# Altium PCB Tigershark 3D R2.PcbDoc (part 1 of 4) (continued)
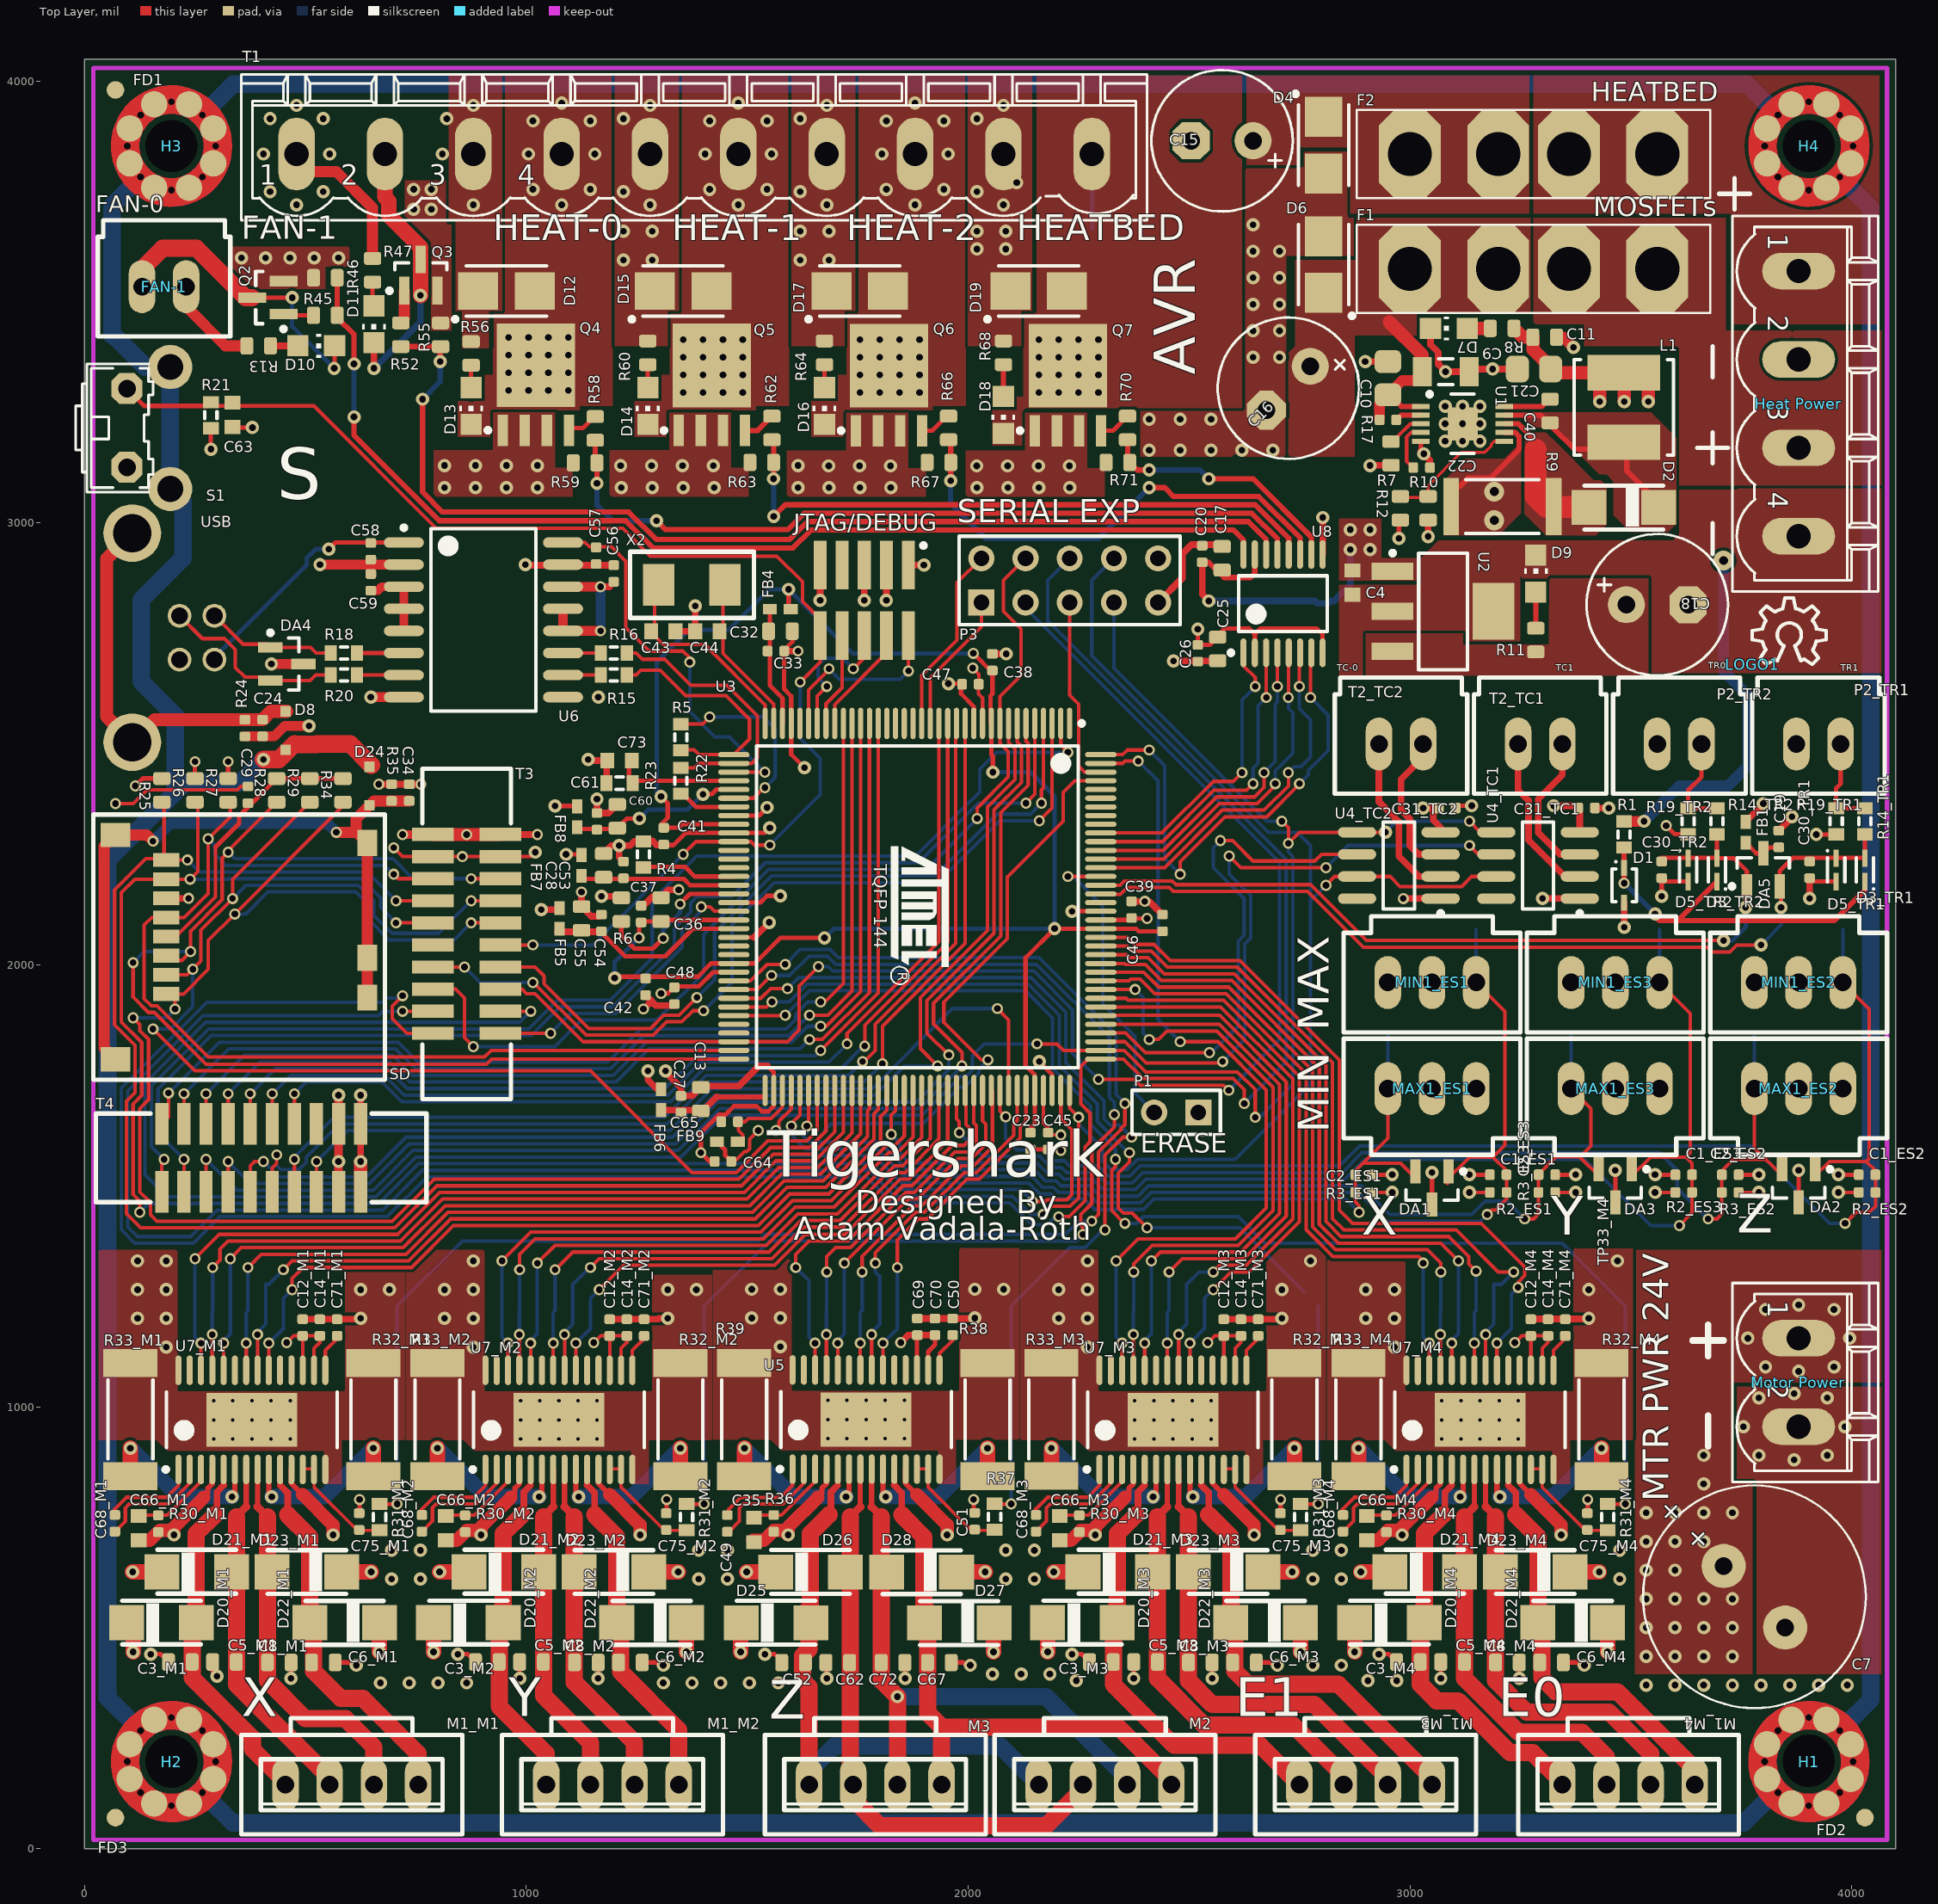
[diagram p0: Top Layer view]
## Classes and differential pairs (continued)
net class U6_Nets: GND INPUT_GND NetC56_2 NetC58_2 NetC59_2 UD_N UD_P UI_N UI_P VBUS
net class U7_M1_Nets: 3.3VCC +12VCC1 DIR1 EN1 GND MOD0E1 MOD1E1 MOD2E1 NetC3_M1_1 NetC5_M1_1 NetC6_M1_1 NetC8_M1_1 NetC66_M1_2 NetC68_M1_1 NetC68_M1_2 NetC71_M1_2 NetC75_M1_2 NetR32_M1_2 NetR33_M1_2 NetU7_M1_18 NetU7_M1_19 NetU7_M1_27 STEP1
net class U7_M2_Nets: 3.3VCC +12VCC1 DIR2 EN2 GND MOD0E2 MOD1E2 MOD2E2 NetC3_M2_1 NetC5_M2_1 NetC6_M2_1 NetC8_M2_1 NetC66_M2_2 NetC68_M2_1 NetC68_M2_2 NetC71_M2_2 NetC75_M2_2 NetR32_M2_2 NetR33_M2_2 NetU7_M2_18 NetU7_M2_19 NetU7_M2_27 STEP2
net class U7_M3_Nets: 3.3VCC +12VCC1 DIR3 EN3 GND MOD0E3 MOD1E3 MOD2E3 NetC3_M3_1 NetC5_M3_1 NetC6_M3_1 NetC8_M3_1 NetC66_M3_2 NetC68_M3_1 NetC68_M3_2 NetC71_M3_2 NetC75_M3_2 NetR32_M3_2 NetR33_M3_2 NetU7_M3_18 NetU7_M3_19 NetU7_M3_27 STEP3
net class U7_M4_Nets: 3.3VCC +12VCC1 DIR4 EN4 GND MOD0E4 MOD1E4 MOD2E4 NetC3_M4_1 NetC5_M4_1 NetC6_M4_1 NetC8_M4_1 NetC66_M4_2 NetC68_M4_1 NetC68_M4_2 NetC71_M4_2 NetC75_M4_2 NetR32_M4_2 NetR33_M4_2 NetU7_M4_18 NetU7_M4_19 NetU7_M4_27 STEP4
net class U8_Nets: 3.3VCC +5VCC BED_PWM FET_PWM1 FET_PWM2 FET_PWM3 FET_PWM4 FET_PWM5 GND NetR45_1 NetR52_1 NetR58_1 NetR62_1 NetR66_1 NetR70_1
net class USB_Nets: INPUT_GND NetC24_2 NetC58_2 R_N R_P
net class X2_Nets: NetC43_2 NetC44_2
net class C12_M1_Nets: 3.3VCC GND
net class C12_M2_Nets: 3.3VCC GND
net class C12_M3_Nets: 3.3VCC GND
net class C12_M4_Nets: 3.3VCC GND
net class C14_M1_Nets: 3.3VCC GND
net class C14_M2_Nets: 3.3VCC GND
net class C14_M3_Nets: 3.3VCC GND
net class C14_M4_Nets: 3.3VCC GND
net class C7_Nets: +12VCC1 GND
net class C15_Nets: +12VCC3 GND
net class C18_Nets: 3.3VCC GND
net class C16_Nets: +12VCC2 GND
net class H1_Nets: FGND
net class H2_Nets: FGND
net class H3_Nets: FGND
net class H4_Nets: FGND
differential pair R: +R_P -R_N
differential pair UD: +UD_P -UD_N
differential pair UI: +UI_P -UI_N
differential pair UMCU: +UMCU_P -UMCU_N

## Components (designator, comment, footprint, x,y, rotation, side; value= is the part's Value field where it differs from the comment)
C1_ES1 "0402" C0402 3200,1525 r180 top (schematic designator C1)
C1_ES2 "0402" C0402 4035,1525 r180 top (schematic designator C1)
C1_ES3 "0402" C0402 3620,1525 r180 top (schematic designator C1)
C2_ES1 "0402" C0402 2895,1525 r0 top (schematic designator C2)
C2_ES2 "0402" C0402 3725,1525 r0 top (schematic designator C2)
C2_ES3 "0402" C0402 3310,1525 r0 top (schematic designator C2)
C3_M1 "10uF" C0603 216.74,422.26 r180 top (schematic designator C3)
C3_M2 "10uF" C0603 911.74,422.26 r180 top (schematic designator C3)
C3_M3 "10uF" C0603 2301.74,422.26 r180 top (schematic designator C3)
C3_M4 "10uF" C0603 2996.74,422.26 r180 top (schematic designator C3)
C4 "0603" 1608[0603] 2870,2865 r90 top
C5_M1 "10uF" C0603 316.74,422.26 r180 top (schematic designator C5)
C5_M2 "10uF" C0603 1011.74,422.26 r180 top (schematic designator C5)
C5_M3 "10uF" C0603 2401.74,422.26 r180 top (schematic designator C5)
C5_M4 "10uF" C0603 3096.74,422.26 r180 top (schematic designator C5)
C6_M1 "10uF" C0603 540.74,421.26 r0 top (schematic designator C6)
C6_M2 "10uF" C0603 1235.74,421.26 r0 top (schematic designator C6)
C6_M3 "10uF" C0603 2625.74,421.26 r0 top (schematic designator C6)
C6_M4 "10uF" C0603 3320.74,421.26 r0 top (schematic designator C6)
C7 "470uF" C12,5-5 3780,570 r315 top
C8_M1 "10uF" C0603 440.74,421.26 r0 top (schematic designator C8)
C8_M2 "10uF" C0603 1135.74,421.26 r0 top (schematic designator C8)
C8_M3 "10uF" C0603 2525.74,421.26 r0 top (schematic designator C8)
C8_M4 "10uF" C0603 3220.74,421.26 r0 top (schematic designator C8)
C9 "4.7uF" C1206 3081.31,3342.43 r0 top
C10 "1uF" C0805 2950.31,3327.43 r90 top
C11 "100nF" C0603 3305.31,3420.43 r0 top
C12_M1 "0402" C0402 493.74,1179.26 r270 top (schematic designator C12)
C12_M2 "0402" C0402 1188.74,1179.26 r270 top (schematic designator C12)
C12_M3 "0402" C0402 2578.74,1179.26 r270 top (schematic designator C12)
C12_M4 "0402" C0402 3273.74,1179.26 r270 top (schematic designator C12)
C13 "0603" C0603 1395,1696.1 r270 top
C14_M1 "0402" C0402 532.74,1179.26 r270 top (schematic designator C14)
C14_M2 "0402" C0402 1227.74,1179.26 r270 top (schematic designator C14)
C14_M3 "0402" C0402 2617.74,1179.26 r270 top (schematic designator C14)
C14_M4 "0402" C0402 3312.74,1179.26 r270 top (schematic designator C14)
C15 "100uF" C3,5-8 2575,3865 r180 top
C16 "100uF" C3,5-8 2725,3305 r225 top
C17 "0603" C0603 2575,2920 r270 top
C18 "100uF" C3,5-8 3560,2815 r0 top
C19 "0402" C0402 3835,2285 r270 top
C20 "0402" C0402 2530,2930 r270 top
C21 "10uF" C0805 3281.31,3348.43 r180 top
C22 "1uF" C0402 3026.31,3125.43 r0 top
C23 "0402" C0402 2141.1,1601.1 r90 top
C24 "0402" C0402 403,2535.79 r90 top
C25 "0603" C0603 2565,2715 r90 top
C26 "0402" C0402 2520,2705 r90 top
C27 "0402" C0402 1350,1685 r270 top
C28 "0603" C0603 1175,2225 r270 top
C29 "0402" C0402 370,2385 r270 top
C30_TR1 "0402" C0402 3905,2215 r90 top (schematic designator C30)
C30_TR2 "0402" C0402 3570,2215 r90 top (schematic designator C30)
C31_TC1 "0402" C0402 3400,2355 r180 top (schematic designator C31)
C31_TC2 "0402" C0402 3085,2355 r180 top (schematic designator C31)
C32 "0603" C0603 1575,2755 r180 top
C33 "0402" C0402 1565,2710 r180 top
C34 "0402" C0402 735,2390 r270 top
C35 "0603" 1608[0603] 1515,721 r90 top
C36 "0603" C0603 1305,2125 r270 top
C37 "0402" C0402 1260,2115 r270 top
C38 "0402" C0402 2055,2685 r270 top
C39 "0402" C0402 2440,2095 r270 top
C40 "100nF" C0603 3317.31,3253.43 r270 top
C41 "0402" C0402 1311.1,2291.1 r90 top
C42 "0402" C0402 1270,1950 r90 top
C43 "0603" 1608[0603] 1310,2755 r180 top
C44 "0603" 1608[0603] 1410,2755 r0 top
C45 "0402" C0402 2181.1,1601.1 r90 top
C46 "0402" C0402 2370,2125 r270 top
C47 "0402" C0402 2005,2635 r0 top
C48 "0402" C0402 1335,1930 r90 top
C49 "0402" C0402 1455,736 r270 top
C50 "0402" C0402 1965,1181 r270 top
C51 "0402" C0402 2015,741 r270 top
C52 "10uF" C0603 1605,421 r180 top
C53 "0402" C0402 1220,2215 r270 top
C54 "0402" C0402 1170,2095 r270 top
C55 "0603" C0603 1125,2105 r270 top
C56 "0402" C0402 1198,2885.79 r270 top
C57 "0402" C0402 1158,2925.79 r90 top
C58 "0402" C0402 648,2935.79 r90 top
C59 "0402" C0402 648,2865.79 r270 top
C60 "0603" C0603 1206.1,2336.1 r270 top
C61 "0402" C0402 1160,2325 r270 top
C62 "10uF" C0603 1705,421 r180 top
C63 "Cap Semi" 1608[0603] 335,3245 r90 top
C64 "0402" C0402 1445,1555 r0 top
C65 "0402" C0402 1460,1645 r0 top
C66_M1 "0603" 1608[0603] 122.74,725.26 r90 top (schematic designator C66)
C66_M2 "0603" 1608[0603] 817.74,725.26 r90 top (schematic designator C66)
C66_M3 "0603" 1608[0603] 2207.74,725.26 r90 top (schematic designator C66)
C66_M4 "0603" 1608[0603] 2902.74,725.26 r90 top (schematic designator C66)
C67 "10uF" C0603 1935,421 r0 top
C68_M1 "0402" C0402 68.74,736.26 r270 top (schematic designator C68)
C68_M2 "0402" C0402 763.74,736.26 r270 top (schematic designator C68)
C68_M3 "0402" C0402 2153.74,736.26 r270 top (schematic designator C68)
C68_M4 "0402" C0402 2848.74,736.26 r270 top (schematic designator C68)
C69 "0402" C0402 1885,1181 r270 top
C70 "0402" C0402 1925,1181 r270 top
C71_M1 "0402" C0402 571.74,1179.26 r270 top (schematic designator C71)
C71_M2 "0402" C0402 1266.74,1179.26 r270 top (schematic designator C71)
C71_M3 "0402" C0402 2656.74,1179.26 r270 top (schematic designator C71)
C71_M4 "0402" C0402 3351.74,1179.26 r270 top (schematic designator C71)
C72 "10uF" C0603 1830,421 r0 top
C73 "0603" 1608[0603] 1211.1,2462.32 r0 top
C75_M1 "0402" C0402 621.74,740.26 r270 top (schematic designator C75)
C75_M2 "0402" C0402 1316.74,740.26 r270 top (schematic designator C75)
C75_M3 "0402" C0402 2706.74,740.26 r270 top (schematic designator C75)
C75_M4 "0402" C0402 3401.74,740.26 r270 top (schematic designator C75)
D1 "SZMM3Z4V7T1G" SZMM3Z4V7T1G 3485,2180 r90 top
D2 "SK310A-TP" SMA-SM 3484.31,3035.43 r180 top
D3_TR1 "Diode 1N4148" 1N4148WT 4030,2215 r270 top (schematic designator D3)
D3_TR2 "Diode 1N4148" 1N4148WT 3695,2215 r270 top (schematic designator D3)
D4 "SK310A-TP" SK310A-TP 2805,3855 r90 top
D5_TR1 "Diode 1N4148" 1N4148WT 3965,2215 r90 top (schematic designator D5)
D5_TR2 "Diode 1N4148" 1N4148WT 3630,2215 r90 top (schematic designator D5)
D6 "SK310A-TP" SK310A-TP 2805,3585 r270 top
D7 "5988110107F" LED2012120 3088.76,3440.43 r180 top
D8 "RSB39VTE-17" SOD323-R 455,2530 r90 top
D9 "5988110107F" LED2012120 3285,2885 r90 top
D10 "5988140107F" LED2012120 524,3401 r0 top
D11 "5988140107F" LED2012120 655,3450 r270 top
D12 "B240A-13-F" SK310A-TP 955,3525 r180 top
D13 "5988140107F" LED2012120 875,3265 r270 top
D14 "5988140107F" LED2012120 1275,3265 r270 top
D15 "B240A-13-F" SK310A-TP 1355,3525 r180 top
D16 "5988140107F" LED2012120 1675,3265 r270 top
D17 "B240A-13-F" SK310A-TP 1755,3525 r180 top
D18 "5988140107F" LED2012120 2080,3245 r270 top
D19 "B240A-13-F" SK310A-TP 2160,3525 r180 top
D20_M1 "SMAJ30A" SMA-SM 173.74,511.26 r0 top (schematic designator D20)
D20_M2 "SMAJ30A" SMA-SM 868.74,511.26 r0 top (schematic designator D20)
D20_M3 "SMAJ30A" SMA-SM 2258.74,511.26 r0 top (schematic designator D20)
D20_M4 "SMAJ30A" SMA-SM 2953.74,511.26 r0 top (schematic designator D20)
D21_M1 "SMAJ30A" SMA-SM 253.74,626.26 r0 top (schematic designator D21)
D21_M2 "SMAJ30A" SMA-SM 948.74,626.26 r0 top (schematic designator D21)
D21_M3 "SMAJ30A" SMA-SM 2338.74,626.26 r0 top (schematic designator D21)
D21_M4 "SMAJ30A" SMA-SM 3033.74,626.26 r0 top (schematic designator D21)
D22_M1 "SMAJ30A" SMA-SM 588.74,511.26 r180 top (schematic designator D22)
D22_M2 "SMAJ30A" SMA-SM 1283.74,511.26 r180 top (schematic designator D22)
D22_M3 "SMAJ30A" SMA-SM 2673.74,511.26 r180 top (schematic designator D22)
D22_M4 "SMAJ30A" SMA-SM 3368.74,511.26 r180 top (schematic designator D22)
D23_M1 "SMAJ30A" SMA-SM 503.74,626.26 r180 top (schematic designator D23)
D23_M2 "SMAJ30A" SMA-SM 1198.74,626.26 r180 top (schematic designator D23)
D23_M3 "SMAJ30A" SMA-SM 2588.74,626.26 r180 top (schematic designator D23)
D23_M4 "SMAJ30A" SMA-SM 3283.74,626.26 r180 top (schematic designator D23)
D24 "RSB39VTE-17" SOD323-R 645,2405 r270 top
D25 "SMAJ30A" SMA-SM 1565,511 r0 top
D26 "SMAJ30A" SMA-SM 1642.77,626 r0 top
D27 "SMAJ30A" SMA-SM 1980,511 r180 top
D28 "SMAJ30A" SMA-SM 1895,626 r180 top
DA1 "PESDxL2BT" SOT95P230X110-3N 3050,1495 r270 top
DA2 "PESDxL2BT" SOT95P230X110-3N 3880,1500 r270 top
DA3 "PESDxL2BT" SOT95P230X110-3N 3465,1500 r270 top
DA4 "PESDxL2BT" SOT95P230X110-3N 458,2680.79 r0 top
DA5 "PESDxL2BT" SOT95P230X110-3N 3800,2215 r90 top
F1 "3522-2" "3522-2 - WAVE SOLDER" 3280,3575 r180 top
F2 "3522-2" "3522-2 - WAVE SOLDER" 3280,3835 r180 top
FAN-1 "Molex 70543-02" 70543-02 180,3535 r180 top
FB1 "BLM15HG601SN1D" BLM18PG121SN1D 3760,2300 r90 top
FB4 "BLM15HG601SN1D" BLM18PG121SN1D 1575,2805 r180 top
FB5 "BLM15HG601SN1D" BLM18PG121SN1D 1075,2105 r270 top
FB6 "BLM15HG601SN1D" BLM18PG121SN1D 1305,1695 r270 top
FB7 "BLM15HG601SN1D" BLM18PG121SN1D 1125,2225 r270 top
FB8 "BLM15HG601SN1D" BLM18PG121SN1D 1115,2335 r270 top
FB9 "BLM15HG601SN1D" BLM18PG121SN1D 1455,1600 r0 top
FD1 "FIDUCIAL" FIDUCIAL-1X2 70,3980 r90 top
FD2 "FIDUCIAL" FIDUCIAL-1X2 4030,70 r0 top
FD3 "FIDUCIAL" FIDUCIAL-1X2 70,70 r270 top
H1 "Hole" Wave_hole_3x7-singleSided#1 3903.15,196.85 r0 top locked
H2 "Hole" Wave_hole_3x7-singleSided#2 196.85,196.85 r0 top locked
H3 "Hole" Wave_hole_3x7-singleSided#2 196.85,3853.15 r0 top locked
H4 "Hole" Wave_hole_3x7-singleSided#2 3903.15,3853.15 r0 top locked
"Heat Power" "con-phoenix-508 - 4" MSTBV4 3880,3270 r270 top
JTAG/DEBUG "FTSH-105-XX-X-DV" FTSH-105-XX-X-DV 1765,2825 r0 top
L1 "XAL5050-153MEB" XAL50xx-153 3484.31,3261.43 r90 top
LOGO1 "OSHW_LOGO_8MILX0150-NT" OSHW_8X150_NOTEXT 3775,2680 r0 top
M1_M1 "Molex 0705430003" 4POL254 605,145 r180 top (schematic designator M1)
M1_M2 "Molex 0705430003" 4POL254 1195,145 r180 top (schematic designator M1)
M1_M3 "Molex 0705430003" 4POL254 2900,145 r180 top (schematic designator M1)
M1_M4 "Molex 0705430003" 4POL254 3495,145 r180 top (schematic designator M1)
M2 "Molex 0705430003" 4POL254 2310,145 r180 top
M3 "Molex 0705430003" 4POL254 1790,145 r180 top
MAX1_ES1 "Molex 70543-03" 70543-03 3050,1720 r0 top (schematic designator MAX1)
MAX1_ES2 "Molex 70543-03" 70543-03 3880,1720 r0 top (schematic designator MAX1)
MAX1_ES3 "Molex 70543-03" 70543-03 3465,1720 r0 top (schematic designator MAX1)
MIN1_ES1 "Molex 70543-03" 70543-03 3050,1960 r180 top (schematic designator MIN1)
MIN1_ES2 "Molex 70543-03" 70543-03 3880,1960 r180 top (schematic designator MIN1)
MIN1_ES3 "Molex 70543-03" 70543-03 3465,1960 r180 top (schematic designator MIN1)
"Motor Power" "con-phoenix-508 - 2" "MSTBV2 - duplicate" 3880,855 r270 top
P1 "ERASE" HDR1X2 2521.1,1666.1 r180 top
P2_TR1 "Molex 70543-02" 70543-02 3925,2500 r180 top (schematic designator P2)
P2_TR2 "Molex 70543-02" 70543-02 3610,2500 r180 top (schematic designator P2)
P3 "Header 5X2" HDR2X5 2030,2820 r0 top
Q2 "IRML6346TRPBF" IRLML6346 415,3510 r180 top
Q3 "IRML6346TRPBF" IRLML6346 761,3561 r90 top
Q4 "PSMN7R0-60YS" PSMN7R0-60YS 1021.5,3312.03 r90 top
Q5 "PSMN7R0-60YS" PSMN7R0-60YS 1420,3311.64 r90 top
Q6 "PSMN7R0-60YS" PSMN7R0-60YS 1821,3311.22 r90 top
Q7 "PSMN7R0-60YS" PSMN7R0-60YS 2226,3311.22 r90 top
R1 "Res3" J1-0603 3485,2295 r90 top
R2_ES1 "2.7K" R0402 3200,1485 r180 top (schematic designator R2)
R2_ES2 "2.7K" R0402 4035,1485 r180 top (schematic designator R2)
R2_ES3 "2.7K" R0402 3620,1485 r180 top (schematic designator R2)
R3_ES1 "2.7K" R0402 2895,1485 r0 top (schematic designator R3)
R3_ES2 "2.7K" R0402 3725,1485 r0 top (schematic designator R3)
R3_ES3 "2.7K" R0402 3310,1485 r0 top (schematic designator R3)
R4 "0603" J1-0603 1265,2250 r90 top
R5 "0603" J1-0603 1350,2515 r90 top
R6 "100K" R0603 1215,2125 r90 top
R7 "10K" R0603 2957.31,3157.43 r270 top
R8 "1K" R0603 3208.76,3440.43 r0 top
R9 "0.6r" 2512R-0.55 3209.31,3037.43 r0 top
R10 "10K" R0603 3041.31,3033.43 r90 top
R11 "1K" R0603 3285,2735 r270 top
R12 "10K" R0603 2978.31,3033.43 r270 top
R13 "1.8K" R0603 394,3401 r180 top
R14_TR1 "Res3" J1-0603 4030,2325 r90 top (schematic designator R14)
R14_TR2 "Res3" J1-0603 3695,2325 r90 top (schematic designator R14)
R15 "0603" J1-0603 1198,2655.79 r180 top
R16 "0603" J1-0603 1198,2705.79 r180 top
R17 "200K" R0402 2950.31,3233.43 r180 top
R18 "0603" J1-0603 587.12,2705.79 r180 top
R19_TR1 "Res3" J1-0603 3965,2325 r270 top (schematic designator R19)
R19_TR2 "Res3" J1-0603 3630,2325 r270 top (schematic designator R19)
R20 "0603" J1-0603 587.12,2655.79 r180 top
R21 "Res3" J1-0603 286,3244 r270 top
R22 "0603" J1-0603 1350,2416.54 r270 top
R23 "0603" J1-0603 1211.1,2411.1 r0 top
R24 "1M" R0402 363,2535.79 r90 top
R25 "1K" R0603 175,2395 r90 top
R26 "1K" R0603 250,2395 r90 top
R27 "1K" R0603 325,2395 r90 top
R28 "1K" R0603 435,2395 r90 top
R29 "1K" R0603 510,2395 r90 top
R30_M1 "1M" R0402 166.74,735.26 r270 top (schematic designator R30)
R30_M2 "1M" R0402 861.74,735.26 r270 top (schematic designator R30)
R30_M3 "1M" R0402 2251.74,735.26 r270 top (schematic designator R30)
R30_M4 "1M" R0402 2946.74,735.26 r270 top (schematic designator R30)
R31_M1 "0603" J1-0603 667.74,750.26 r90 top (schematic designator R31)
R31_M2 "0603" J1-0603 1362.74,750.26 r90 top (schematic designator R31)
R31_M3 "0603" J1-0603 2752.74,750.26 r90 top (schematic designator R31)
R31_M4 "0603" J1-0603 3447.74,750.26 r90 top (schematic designator R31)
R32_M1 "2512" Resistor2512 653.74,971 r270 top (schematic designator R32)
R32_M2 "2512" Resistor2512 1348.74,971 r270 top (schematic designator R32)
R32_M3 "2512" Resistor2512 2738.74,971 r270 top (schematic designator R32)
R32_M4 "2512" Resistor2512 3433.74,971 r270 top (schematic designator R32)
R33_M1 "2512" Resistor2512 103.74,971 r270 top (schematic designator R33)
R33_M2 "2512" Resistor2512 798.74,971 r270 top (schematic designator R33)
R33_M3 "2512" Resistor2512 2188.74,971.26 r270 top (schematic designator R33)
R33_M4 "2512" Resistor2512 2883.74,971 r270 top (schematic designator R33)
R34 "1K" R0603 585,2395 r90 top
R35 "1M" R0402 695,2390 r270 top
R36 "1M" R0402 1560,736 r270 top
R37 "0603" J1-0603 2060,751 r90 top
R38 "2512" Resistor2512 2044,971 r270 top
R39 "2512" Resistor2512 1493,971 r270 top
R45 "10r" R0603 545,3470 r180 top
R46 "100K" R0603 545,3555 r180 top
R47 "1.8K" R0603 652,3572 r90 top
R52 "10r" R0603 716,3426 r90 top
R55 "100K" R0603 806,3426 r90 top
R56 "1.8K" R0603 875,3383.64 r90 top
R58 "10r" R0603 1156,3214 r90 top
R59 "100K" R0603 1133,3136 r180 top
R60 "1.8K" R0603 1275,3385 r90 top
R62 "10r" R0603 1556,3215 r90 top
R63 "100K" R0603 1533,3137 r180 top
R64 "1.8K" R0603 1675,3385 r90 top
R66 "10r" R0603 1956,3215 r90 top
R67 "100K" R0603 1934,3137 r180 top
R68 "1.8K" R0603 2080,3385 r90 top
R70 "10r" R0603 2361,3215 r90 top
R71 "100K" R0603 2339,3137 r180 top
S1 "1571610-2" B3F-31XX 145,3215 r270 top
SD "502570-0893" "502570-0893 - Molex SD" 350,2040 r90 top locked
T1 "Molex 0395311010" MSTBV10 1380,3835 r0 top
T2_TC1 "Molex 70543-02" 70543-02 3295,2500 r180 top (schematic designator T2)
T2_TC2 "Molex 70543-02" 70543-02 2980,2500 r180 top (schematic designator T2)
T3 "3220-20-0300-00" "3220-20-0300-00 -AVR" 865,2070 r90 top
T4 "3220-20-0300-00" "3220-20-0300-00 -AVR" 400,1563.23 r0 top
TP1 "TP4" TP-2#1 3585,3275 r90 top
TP2 "TP4" TP-2#1 3520,2150 r180 top
TP3 "TP4" TP-2#2 3465,2900 r270 bottom
TP4 "TP4" TP-2#1 2900,2270 r180 top
TP5 "TP4" TP-2#1 2555,2219.89 r180 top
TP6 "TP4" TP-2#1 3075,2325 r90 top
TP7 "TP4" TP-2#1 2775,2105 r90 top
TP8 "TP4" TP-2#1 2670,1730 r90 top
TP9_ES1 "TP4" TP-2#2 3150,2080 r270 bottom (schematic designator TP9)
TP9_ES2 "TP4" TP-2#2 3980,2080 r270 bottom (schematic designator TP9)
TP9_ES3 "TP4" TP-2#2 3565,2065 r270 bottom (schematic designator TP9)
TP10_ES1 "TP4" TP-2#2 2950,1840 r270 bottom (schematic designator TP10)
TP10_ES2 "TP4" TP-2#2 3780,1840 r270 bottom (schematic designator TP10)
TP10_ES3 "TP4" TP-2#2 3365,1840 r270 bottom (schematic designator TP10)
TP11 "TP4" TP-2#2 1080,3665 r270 bottom
TP12 "TP4" TP-2#2 1481,3666 r90 bottom
TP13 "TP4" TP-2#2 1881,3666 r270 bottom
TP14 "TP4" TP-2#2 2281,3666 r270 bottom
TP15 "TP4" TP-2#1 2130,1260 r180 top
TP16 "TP4" TP-2#1 1800,1266 r180 top
TP17 "TP4" TP-2#1 1640,1271 r90 top
TP18 "TP4" TP-2#1 1680,1206 r90 top
TP19 "TP4" TP-2#1 1720,1266 r90 top
TP20 "TP4" TP-2#1 1840,1206 r90 top
TP21 "TP4" TP-2#1 1760,1206 r90 top
TP32_M1 "TP4" TP-2#1 409.97,1277.03 r180 top (schematic designator TP32)
TP32_M2 "TP4" TP-2#1 1104.97,1277.03 r180 top (schematic designator TP32)
TP32_M3 "TP4" TP-2#1 2494.97,1277.03 r180 top (schematic designator TP32)
TP32_M4 "TP4" TP-2#1 3189.97,1277.03 r180 top (schematic designator TP32)
TP33_M1 "TP4" TP-2#1 740,1260 r180 top (schematic designator TP33)
TP33_M2 "TP4" TP-2#1 1435,1260 r180 top (schematic designator TP33)
TP33_M3 "TP4" TP-2#1 2773,1248 r180 top (schematic designator TP33)
TP33_M4 "TP4" TP-2#1 3455,1260 r180 top (schematic designator TP33)
TP35_M1 "TP4" TP-2#1 249.97,1277.03 r180 top (schematic designator TP35)
TP35_M2 "TP4" TP-2#1 944.97,1277.03 r180 top (schematic designator TP35)
TP35_M3 "TP4" TP-2#1 2334.97,1277.03 r180 top (schematic designator TP35)
TP35_M4 "TP4" TP-2#1 3029.97,1277.03 r180 top (schematic designator TP35)
TP36_M1 "TP4" TP-2#1 289.97,1217.03 r180 top (schematic designator TP36)
TP36_M2 "TP4" TP-2#1 984.97,1217.03 r180 top (schematic designator TP36)
TP36_M3 "TP4" TP-2#1 2374.97,1217.03 r180 top (schematic designator TP36)
TP36_M4 "TP4" TP-2#1 3069.97,1217.03 r180 top (schematic designator TP36)
TP37_M1 "TP4" TP-2#1 329.97,1277.03 r180 top (schematic designator TP37)
TP37_M2 "TP4" TP-2#1 1024.97,1277.03 r180 top (schematic designator TP37)
TP37_M3 "TP4" TP-2#1 2414.97,1277.03 r180 top (schematic designator TP37)
TP37_M4 "TP4" TP-2#1 3109.97,1277.03 r180 top (schematic designator TP37)
TP38 "TP4" TP-2#2 2815,2485 r270 bottom
TP39_M1 "TP4" TP-2#1 449.97,1217.03 r180 top (schematic designator TP39)
TP39_M2 "TP4" TP-2#1 1144.97,1217.03 r180 top (schematic designator TP39)
TP39_M3 "TP4" TP-2#1 2534.97,1217.03 r180 top (schematic designator TP39)
TP39_M4 "TP4" TP-2#1 3229.97,1217.03 r180 top (schematic designator TP39)
TP40_M1 "TP4" TP-2#1 369.97,1217.03 r180 top (schematic designator TP40)
TP40_M2 "TP4" TP-2#1 1064.97,1217.03 r180 top (schematic designator TP40)
TP40_M3 "TP4" TP-2#1 2454.97,1217.03 r180 top (schematic designator TP40)
TP40_M4 "TP4" TP-2#1 3149.97,1217.03 r180 top (schematic designator TP40)
TP41 "TP4" TP-2#2 610,3300 r0 bottom
TP42 "TP4" TP-2#1 805,3320 r180 top
TP43 "TP4" TP-2#2 2620,2545 r270 bottom
TP44 "TP4" TP-2#2 2656.1,2486.1 r270 bottom
TP45 "TP4" TP-2#2 2695,2545 r270 bottom
TP46 "TP4" TP-2#2 2735,2485 r270 bottom
TP47 "TP4" TP-2#2 2775,2545 r270 bottom
TP48 "TP4" TP-2#1 1160,3040 r90 top
TP49 "TP4" TP-2#1 1560,3055 r90 top
TP50 "TP4" TP-2#1 1960,3045 r90 top
TP51 "TP4" TP-2#1 2450,3120 r90 top
TP52_TR1 "TP4" TP-2#1 3840,2085 r180 top (schematic designator TP52)
TP52_TR2 "TP4" TP-2#1 3760,2090 r180 top (schematic designator TP52)
U1 "LM25011MY/NOPB" VSSOP10 3119.31,3224.43 r0 top
U2 "MIC5209-3.3YS" SOT230P700X190-4N 3075,2800 r0 top
U3 "ATML-ATSAM3X-LQFP-144" LQFP144_N 1885,2131.1 r270 top
U4_TC1 "MAX31855EASA+" MAXM-S8+4_N 3290,2225 r180 top (schematic designator U4)
U4_TC2 "MAX31855EASA+" MAXM-S8+4_N 2975,2225 r180 top (schematic designator U4)
U5 "DRV8825" DRV8825 1769,971 r90 top
U6 "ADuM4160" ADuM4160 903,2780.79 r0 top
U7_M1 "DRV8825" DRV8825 378.74,970.26 r90 top (schematic designator U7)
U7_M2 "DRV8825" DRV8825 1073.74,970.26 r90 top (schematic designator U7)
U7_M3 "DRV8825" DRV8825 2463.74,970.26 r90 top (schematic designator U7)
U7_M4 "DRV8825" DRV8825 3158.74,970.26 r90 top (schematic designator U7)
U8 "TXB0106 Level Shifter" TSOP65P640X120-16N 2713,2817.44 r90 top
USB "USB-B" PN61729 108,2740.79 r270 top locked
X2 "445C35A12M00000" 445C35A12M00000 1300,2860 r0 top

## Footprints (in the part's own frame and the unit in brackets; to place one, negate y for a bottom-side part, rotate by r counter-clockwise, add the part's x,y. Pads: shape width x height; smd on the part's side, far side on the other; paste and mask are expansions set on the pad)
1N4148WT [mm] "Molded Diode, 2-Leads, Body 1.20x0.80mm, IPC Medium Density"
  rect 1x0.3 smd: 1(-0.675,0) 2(0.675,0)
  silkscreen extent -0.7,-0.5 1.15,0.55, body extent -0.65,-0.45 0.65,0.45, height 0.7
4POL254 [mil]
  oval 60x120 hole 40: 1(-150,0) 2(-50,0) 3(50,0) 4(150,0)
  silkscreen extent -250,-150 250,113, body extent -250,-150 250,113, height 454
445C35A12M00000 [mm] "Crystal Oscillator"
  rect 1.8x2.4 smd: 1(0,0) 2(3.8,0)
  silkscreen extent -1.65,-1.91 5.46,1.91, body extent -1.27,-1.52 5.08,1.52, height 1
1608[0603] [mm] "Chip Capacitor, Body 1.6x0.8mm, IPC High Density"
  rect 0.8x0.9 smd: 1(-0.7,0) 2(0.7,0)
  body extent -0.87,-0.48 0.87,0.48, height 1.3
2512R-0.55 [mm] "2512 Resistor 6.35mm x 3.2mm x 0.55mm"
  rect 0.9x3.3 smd: 1(-2.95,0) 2(2.95,0)
  silkscreen extent -2.1,-1.55 2.1,1.55, body extent -3.22,-1.68 3.22,1.68, height 0.65
"3220-20-0300-00 -AVR" [mm] "CNC Tech 1.27mm Spacing 20 Pin Shrouded Connector Part# 3220-20-0300-00"
  rect 0.76x2.4 smd: 1(-5.715,-1.95) 2(-5.715,1.95) 3(-4.445,-1.95) 4(-4.445,1.95) 5(-3.175,-1.95) 6(-3.175,1.95) 7(-1.905,-1.95) 8(-1.905,1.95) 9(-0.635,-1.95) 10(-0.635,1.95) 11(0.635,-1.95) 12(0.635,1.95) 13(1.905,-1.95) 14(1.905,1.95) 15(3.175,-1.95) 16(3.175,1.95) 17(4.445,-1.95) 18(4.445,1.95) 19(5.715,-1.95) 20(5.715,1.95)
  silkscreen extent -9.5,-2.55 9.5,2.55, body extent -9.53,-2.54 9.53,2.54, height 1.75
"3522-2 - WAVE SOLDER" [mil]
  oct 140x200 hole 100: 1(-280,0) 1(-80,0) 2(80,0) 2(280,0)
  silkscreen extent -400,-100 400,100, body extent -402,-103 402,103, height 709
70543-02 [mil]
  oval 60x120 hole 40: 1(-50,0) 2(50,0)
  silkscreen extent -150,-150 150,113, body extent -150,-150 150,113, height 450
70543-03 [mil]
  oval 60x120 hole 40: 1(-100,0) 2(0,0) 3(100,0)
  silkscreen extent -200,-150 200,113, body extent -200,-150 200,113, height 450
"502570-0893 - Molex SD" [mm] "Molex SD Card Footprint 502570-0893"
  rect 0.8x1.5 smd: 1(-2.692,4.191) 2(-1.592,4.191) 3(-0.492,4.191) 4(0.608,4.191) 5(1.708,4.191) 6(2.808,4.191) 7(3.908,4.191) 8(5.008,4.191)
  rect 1.4x1.7 smd: 9(-6.452,7.112) 10(6.452,7.112)
  rect 1.5x1.15 smd: 11(-2.896,-7.366) 12(-0.61,-7.366) 13(5.994,-7.366)
  silkscreen extent -7.62,-8.38 7.62,8.38, body extent -6.86,-7.75 6.94,7.75, height 1.85
ADuM4160 [mm] "SOIC, 16-Leads, Body 10.30x7.50mm, Pitch 1.27mm, IPC Medium Density"
  oval 2.3x0.6 smd: 1(-4.575,4.445) 2(-4.575,3.175) 3(-4.575,1.905) 4(-4.575,0.635) 5(-4.575,-0.635) 6(-4.575,-1.905) 7(-4.575,-3.175) 8(-4.575,-4.445) 9(4.575,-4.445) 10(4.575,-3.175) 11(4.575,-1.905) 12(4.575,-0.635) 13(4.575,0.635) 14(4.575,1.905) 15(4.575,3.175) 16(4.575,4.445)
  silkscreen extent -4.7,-5.25 3.03,5.42, body extent -3.8,-5.25 3.8,5.25, height 2.65
B3F-31XX [mil]
  oct 70x70 hole 40: 1(-89,-49) 2(89,-49)
  round 100 hole 59: 3(-138,49) 4(138,49)
  silkscreen extent -145,-165 145,10, body extent -165,-200 165,109, height 303
BLM18PG121SN1D [mm]
  rect 0.8x0.6 smd: 1(-0.6,0) 2(0.6,0)
  body extent -0.52,-0.28 0.53,0.27, height 0.6
C3,5-8 [mil]
  round 84 hole 40: 1(-70,0)
  oct 84x84 hole 40: 2(70,0)
  silkscreen extent -160,-160 160,160, body extent -160,-160 160,160, height 512
C12,5-5 [mil]
  round 100 hole 40: 1(-98.43,0) 2(98.43,0)
  silkscreen extent -252,-252 252,252, body extent -252,-252 252,252, height 787
C0402 [mil]
  rrect40% 22x24 smd: 1(-18.7,0) 2(19,0)
  body extent -20,-10 20,10, height 20
C0603 [mm]
  rrect40% 0.74x1 smd: 1(-0.68,0) 2(0.68,0)
  body extent -0.8,-0.4 0.8,0.4, height 0.8
C0805 [mil]
  rrect50% 52x60 smd: 1(-37.4,0) 2(38,0)
  body extent -40,-30 40,30, height 35
C1206 [mm] "Chip Capacitor, Body 3.2x1.6mm, IPC High Density"
  rect 1.1x1.7 smd: 1(-1.35,0) 2(1.35,0)
  silkscreen extent -0.4,-0.75 0.4,0.75, body extent -1.7,-0.9 1.7,0.9, height 1.3
DRV8825 [mm]
  oval 1.7x0.35 smd: 1(-2.85,4.225) 2(-2.85,3.575) 3(-2.85,2.925) 4(-2.85,2.275) 5(-2.85,1.625) 6(-2.85,0.975) 7(-2.85,0.325) 8(-2.85,-0.325) 9(-2.85,-0.975) 10(-2.85,-1.625) 11(-2.85,-2.275) 12(-2.85,-2.925) 13(-2.85,-3.575) 14(-2.85,-4.225) 15(2.85,-4.225) 16(2.85,-3.575) 17(2.85,-2.925) 18(2.85,-2.275) 19(2.85,-1.625) 20(2.85,-0.975) 21(2.85,-0.325) 22(2.85,0.325) 23(2.85,0.975) 24(2.85,1.625) 25(2.85,2.275) 26(2.85,2.925) 27(2.85,3.575) 28(2.85,4.225)
  rect 3.1x5.22 smd: 29(0,0)
  silkscreen extent -2.97,-4.9 1.6,5.07, body extent -2.25,-4.9 2.25,4.9, height 1.2
FIDUCIAL-1X2 [mil]
  rrect100% 40x40 smd paste-3897.64 mask+20: 1(0,0)
  body extent -40,-40 40,40, height 1
FTSH-105-XX-X-DV [mm] "1.27mm pitch, 10 pin, terminal strip; vertical, SMT"
  rect 0.75x2.8 smd mask+0: 1(2.54,2.03) 2(2.54,-2.03) 3(1.27,2.03) 4(1.27,-2.03) 5(0,2.03) 6(0,-2.03) 7(-1.27,2.03) 8(-1.27,-2.03) 9(-2.54,2.03) 10(-2.54,-2.03)
  silkscreen extent 3.28,3.03 3.52,3.27
HDR1X2 [mm] "Connector; Header; 2 Position"
  rect 1.5x1.5 hole 0.9: 1(0,0)
  round 1.5 hole 0.9: 2(2.54,0)
  silkscreen extent -1.27,-1.27 3.81,1.27
HDR2X5 [mm] "Connector; Header; 5x2 Position"
  rect 1.5x1.5 hole 0.9: 1(0,0)
  round 1.5 hole 0.9: 2(0,2.54) 3(2.54,0) 4(2.54,2.54) 5(5.08,0) 6(5.08,2.54) 7(7.62,0) 8(7.62,2.54) 9(10.16,0) 10(10.16,2.54)
  silkscreen extent -1.27,-1.27 11.43,3.81
IRLML6346 [mm] "SOT23, 3-Leads, Body 2.92x2.37mm, Pitch 0.95mm, IPC Medium Density"
  rect 1.6x0.6 smd: 1(-0.9,0.95) 2(-0.9,-0.95) 3(0.9,0)
  silkscreen extent -1.03,-1.5 0.7,1.92, body extent -0.7,-1.52 0.7,1.52, height 1.12
J1-0603 [mm] "Chip Resistor, Body 1.6x0.8mm, IPC High Density"
  rect 0.7x0.9 smd: 1(-0.75,0) 2(0.75,0)
  silkscreen extent -0.2,-0.35 0.2,0.35, body extent -0.85,-0.48 0.85,0.48, height 0.9
LED2012120 [mil]
  rect 48x48 smd: A(-41.34,0) C(42,0)
  silkscreen extent 0,-27 12,27, body extent -50,-25 50,25, height 28